# KiCad board CPU2908C.kicad_pcb (continued)
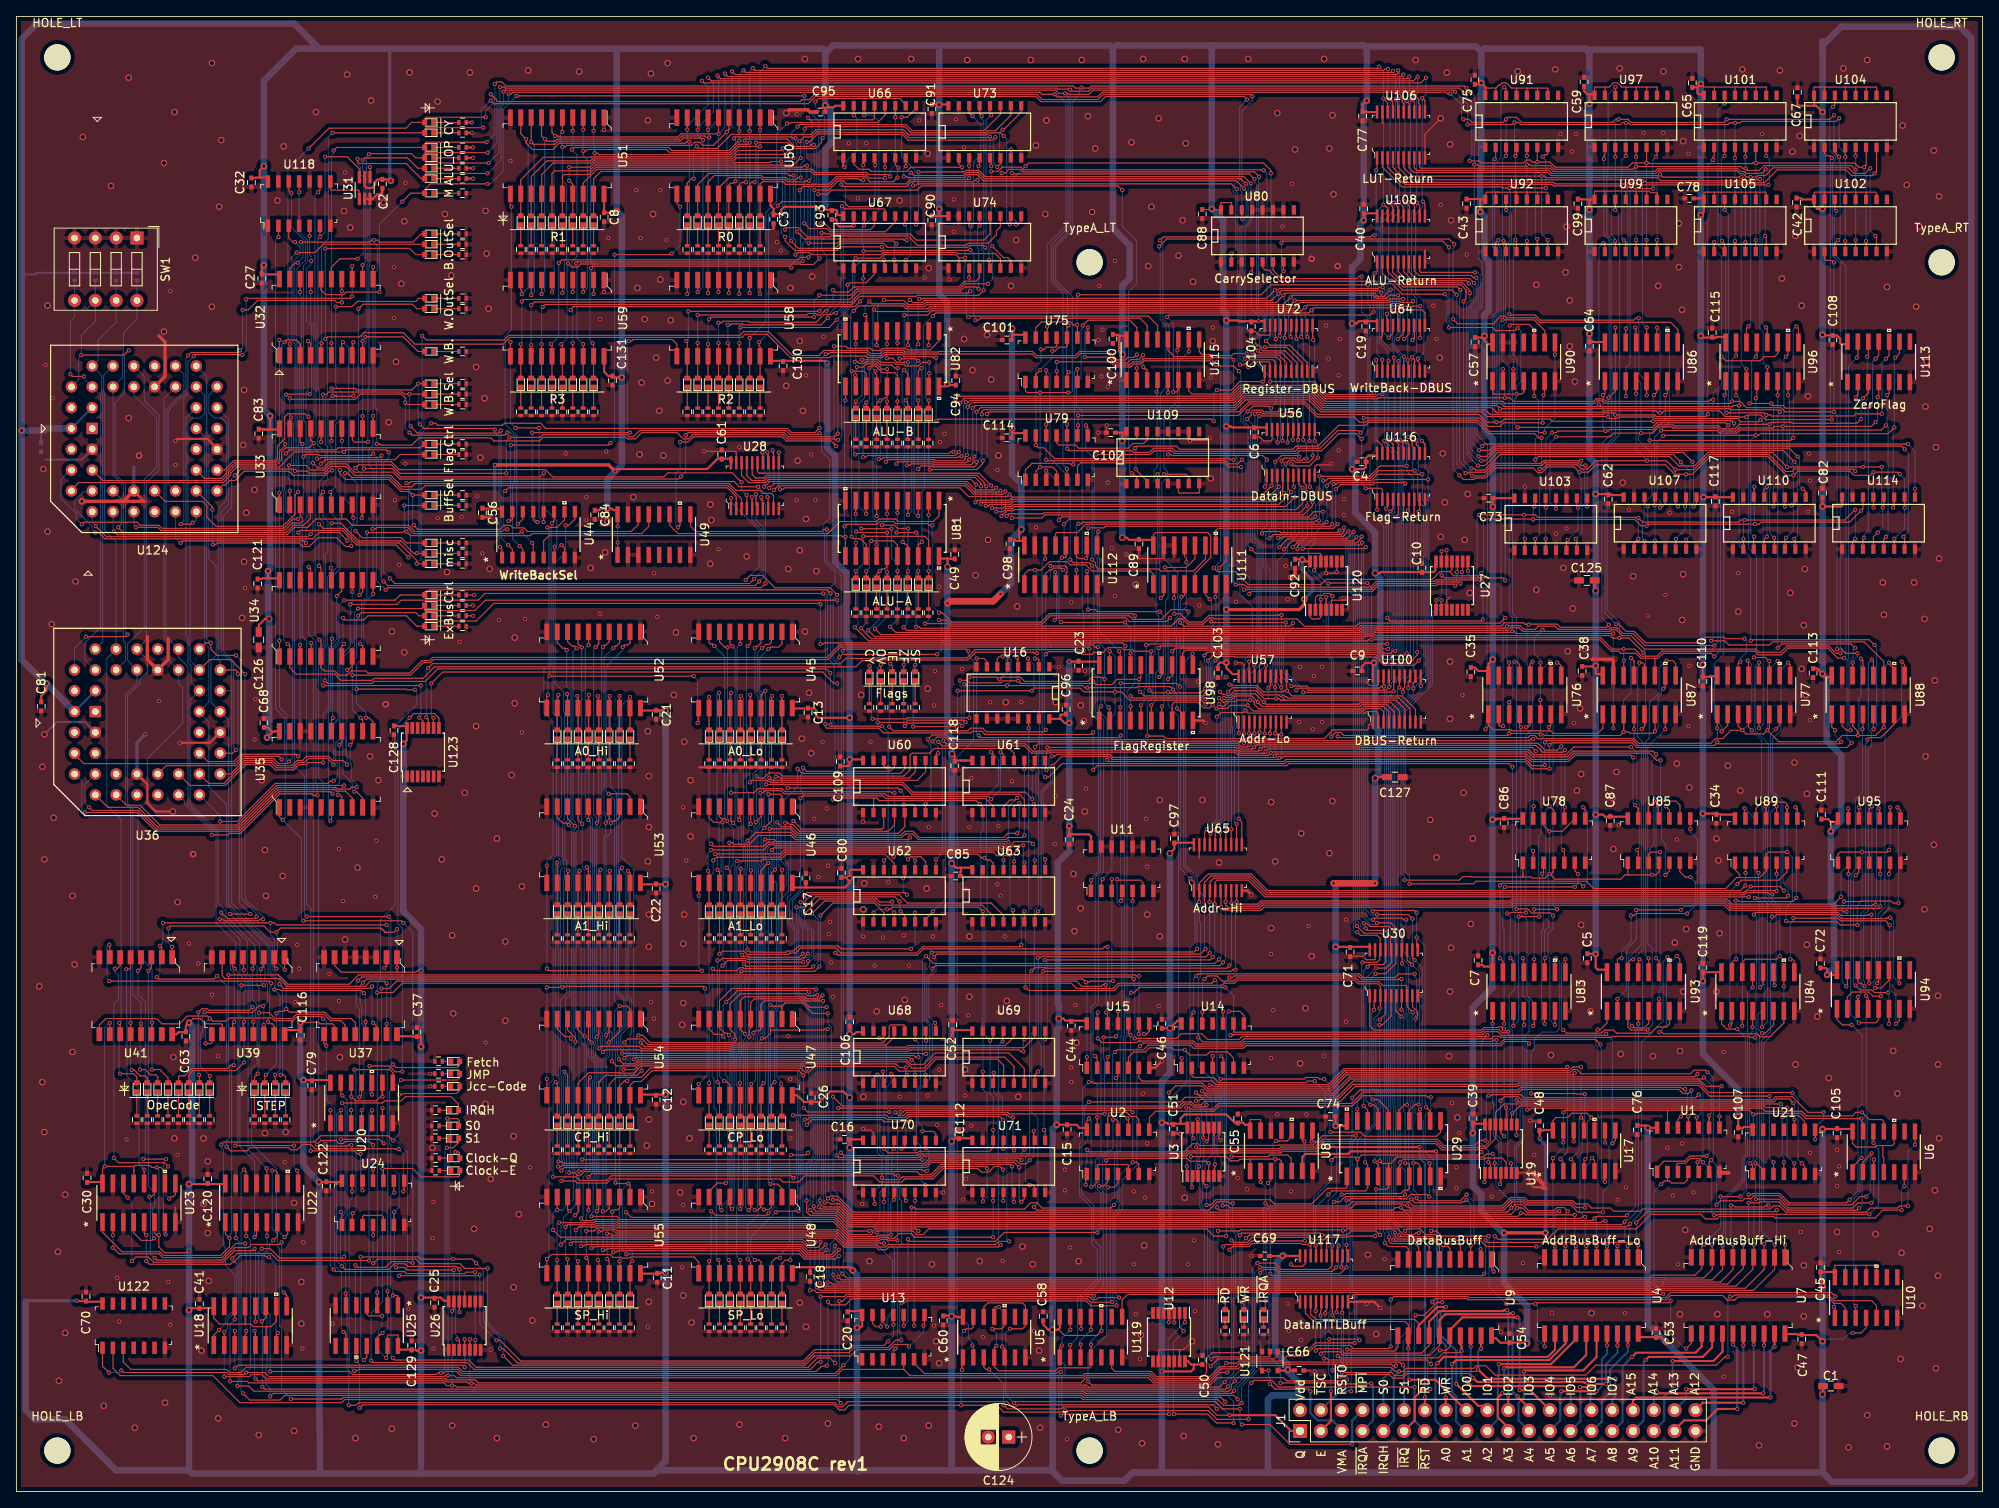
[diagram p0: board, top side]
## Routing (per net, layer and track width the routed paths; a pad name or vN(x,y) marks a point on that pad's centre or on a via; arc(x,y) is an arc through that point) (continued)
/Sequencer/BROM/A8: length 92.5
  Top w0.127: 18.51,50.09 18.51,50.49 17.51,51.49 v1(16.56,51.49) ; v1(16.56,57.22) 16.56,56.39 16.48,56.32
  Bottom w0.127: 16.56,54.47 16.56,51.5 v1(16.56,51.49) ; 16.56,54.47 16.56,58.15 ; 16.56,54.47 16.56,54.54 ; v1(16.56,57.22) 16.56,58.15 ; 16.56,58.15 16.56,63.75 14.84,65.46 14.84,83.11 15.99,84.26 15.99,89.46 20.31,93.78 20.31,98.1 19.8,98.61 U36.32 18.53,101.53 18.53,103.56 18.02,104.07 18.02,133.4 U124.32
/Sequencer/BROM/A9: length 94.7
  Top w0.127: v1(15.1,51.49) 15.73,51.49 16.37,50.85 17,50.85 17.26,50.6 17.26,49.97 ; 15.21,56.06 v1(15.21,57.09)
  Bottom w0.127: 15.15,51.54 v1(15.1,51.49) 15.1,56.98 v1(15.21,57.09) 15.21,59.63 14.21,60.63 14.21,83.37 13.57,84 13.57,97.08 15.1,98.61 15.1,99.11 15.99,100 15.99,101.53 U36.35 15.86,103.94 15.86,123.12 17.38,124.64 17.38,131.37 15.61,133.15 15.61,136.07 U124.35
/Sequencer/BROM/A10: length 91.3
  Top w0.127: v1(14.07,51.42) 14.42,51.42 15.12,50.73 15.73,50.73 15.97,50.49 15.97,49.97 ; U41.12 v1(13.94,57.21)
  Bottom w0.127: 14.72,100.13 14.72,98.61 13.32,97.21 13.32,83.9 13.94,83.28 v1(13.94,57.21) 13.94,51.55 v1(14.07,51.42) ; U36.36 13.57,101.4 13.57,103.43 15.61,105.47 15.61,123.5 17.13,125.02 17.13,130.99 14.34,133.79 14.34,134.68
/Sequencer/BROM/A11: length 93.1
  Top w0.127: v1(12.54,57.21) 12.67,57.08 U41.11 ; 14.7,49.97 14.7,50.6 14.32,50.98 v1(12.67,50.98)
  Bottom w0.127: v1(12.67,50.98) 12.54,51.11 v1(12.54,57.21) 12.79,57.45 12.79,81.99 11.04,83.75 11.04,101.66 U36.37 12.18,115.88 10.78,117.28 10.78,134.04 10.65,134.17 10.65,136.2 U124.37
/Sequencer/BROM/A12: length 49.8
  Bottom w0.127: R150.2 14.72,145.72 ; 14.46,144.96 14.72,145.22 ; SW1.8 14.72,143.06 13.07,141.41 13.07,138.97 12.94,138.84 12.94,135.94 U124.38 11.8,124.01 13.07,122.74 13.07,103.81 13.32,103.56 13.32,101.4 U36.38
/Sequencer/BROM/A13: length 47.6
  Bottom w0.127: U36.39 10.53,103.69 10.53,133.89 10.4,134.02 10.4,136.2 U124.39 9.98,138.07 9.98,140.48 12.18,142.68 SW1.7 11.38,144.54 ; 12.18,145.98 R149.2
/Sequencer/BROM/A14: length 66.8
  Top w0.127: v1(13.57,104.58) 13.31,104.32 v1(8.5,104.32) ; v1(7.92,138.68) 13.13,138.68 v1(13.7,139.25)
  Bottom w0.127: R148.2 9.64,145.98 ; v1(13.7,139.25) 13.19,138.74 13.19,134.04 12.05,132.9 12.05,124.13 13.33,122.86 13.33,104.83 v1(13.57,104.58) ; SW1.6 9.64,142.8 7.92,141.09 v1(7.92,138.68) 7.61,138.36 7.61,135.69 U124.40 ; SW1.6 9.64,145.22 ; SW1.6 8.69,144.39 ; 7.1,100.39 7.1,102.91 v1(8.5,104.32)
/Sequencer/BROM/A15: length 51.8
  Top w0.127: v1(8.24,136.07) 6.84,136.07 v1(6.59,136.33)
  Bottom w0.127: v1(6.59,136.33) 6.59,142.8 7.1,143.31 7.1,145.22 ; v1(8.24,136.07) 8.24,135.82 U124.41 10.27,133.79 10.27,105.47 8.37,103.56 8.37,101.53 U36.41 ; R129.2 7.1,145.98 ; 7.1,144.21 SW1.5
/Sequencer/BROM/load: length 77.8
  Top w0.127: U25.9 40.23,19.19 v1(39.93,19.49) ; v1(23.1,54.66) 23.73,54.66 23.86,54.79 23.86,55.55 ; v1(37.45,57.71) 37.2,57.96 34.27,57.96 33.77,57.46 31.49,57.46 31.16,57.79 25.97,57.79 25.59,57.41 23.94,57.41 v1(23.61,57.74) 23.32,58.03 20.87,58.03 19.92,57.08 17.77,57.08 17.13,57.72 11.15,57.72 11.14,57.71 10.91,57.71 10.13,56.94 U41.9 ; U37.9 37.56,54.68 v1(37.83,54.41)
  Bottom w0.127: v1(23.1,54.66) 23.1,57.23 v1(23.61,57.74) ; v1(39.93,19.49) 39.68,19.74 39.68,26.78 38.85,27.61 38.85,46.79 37.83,47.81 v1(37.83,54.41) 37.83,57.33 v1(37.45,57.71)
/Sequencer/BROM/update: length 108.5
  Top w0.127: v1(17.51,66.6) 17.75,66.37 U41.2 ; v1(31.74,63.81) 31.47,64.08 31.47,65.46 ; v1(17.89,69.4) 30.45,69.4 30.45,69.4 31.48,69.4 31.74,69.14 v1(45.2,69.14) ; v1(17.13,62.78) 17.37,62.54 24.12,62.54 v1(24.5,62.92) ; v1(46.66,41.78) 46.31,41.78 46.25,41.84 36.46,41.84 35.95,42.35 34.91,42.35 34.28,41.71 33.51,41.71 33.26,41.96 28.53,41.96 28.15,41.58 26.15,41.58 v1(25.64,42.09) ; v1(44.9,63.89) 45.18,64.17 U37.2 ; U24.8 47.34,36.74 v1(47.23,36.63)
  Bottom w0.127: v1(17.13,62.78) 17.51,63.16 v1(17.51,66.6) 17.89,66.98 v1(17.89,69.4) ; v1(47.23,36.63) 47.23,41.22 v1(46.66,41.78) ; v1(45.2,69.14) 45.46,68.89 45.46,64.45 v1(44.9,63.89) ; v1(24.5,62.92) 25.64,61.78 25.64,51.94 26.02,51.55 26.02,43.24 25.64,42.85 v1(25.64,42.09) ; v1(31.74,63.81) 31.49,64.06 31.49,67.49 31.02,67.96 v1(31.02,69.4)
/Sequencer/CY: length 155.4
  Top w0.127: v1(133.34,95.69) 133.45,95.58 U98.2 ; v1(164.2,148.26) 163.84,148.26 163.59,148.01 154.42,148.01 153.4,149.03 153.4,149.79 ; v1(131.81,126.55) 138.41,126.55 138.86,127 141.02,127 141.34,126.67 156.32,126.67 156.64,127 159.31,127 161.4,129.09 163.56,129.09 v1(164.2,128.45) ; D28.2 104.11,100.75 v1(104.13,100.77) ; v1(132.83,99.11) 132.57,99.37 131.29,99.37 130.78,98.86 123.05,98.86 122.54,99.37 122.41,99.37 120.25,99.37 v1(120,99.11) 119.75,99.37 v1(116.32,99.37) ; U16.6 119.73,101.64 120,101.91 v1(120.38,101.91) ; v1(104.51,94.29) 108.61,94.29 108.74,94.42 v1(116.32,94.42) ; v1(164.71,122.42) 166.54,122.42 166.74,122.23 166.74,121.59
  Bottom w0.127: v1(164.2,148.26) 164.2,143.95 164.96,143.18 164.96,129.21 v1(164.2,128.45) 164.2,122.93 v1(164.71,122.42) ; v1(120.38,101.91) 120.89,101.4 120.89,100 v1(120,99.11) ; v1(116.32,94.42) v1(116.32,99.37) ; v1(104.51,94.29) 104.38,94.42 104.38,100.51 v1(104.13,100.77) ; v1(131.81,126.55) 131.56,126.3 131.56,114.22 131.94,113.85 131.94,103.77 132.83,102.88 v1(132.83,99.11) 132.83,96.19 v1(133.34,95.69)
/Sequencer/D0: length 29.8
  Top w0.127: 34.66,138.99 34.66,140.01 34.15,140.52 32.98,140.52 v1(32.72,140.25) ; v1(32.82,127.81) 32.82,127.63 32.12,126.93 32.12,126.02 31.63,125.53 26.68,125.53 26.3,125.15 26.27,125.15 25.64,124.51 25.64,124.24 25.03,123.63 22.97,123.63 U124.21
  Bottom w0.127: v1(32.72,140.25) 32.43,139.96 32.43,128.2 v1(32.82,127.81)
/Sequencer/D1: length 28.1
  Top w0.127: U124.20 25.39,124.64 26.53,125.79 31.53,125.79 31.86,126.12 31.86,127.56 32.75,128.45 32.75,131.14 33.12,131.5 35.29,131.5 v1(35.67,131.12) ; U32.4 35.91,140.08 v1(35.61,140.39)
  Bottom w0.127: 35.41,134.18 35.47,134.24 ; 35.41,134.18 35.61,134.37 v1(35.61,140.39) ; 35.41,134.18 35.36,134.12 35.36,131.94 35.67,131.63 v1(35.67,131.12)
/Sequencer/D2: length 53
  Top w0.127: U124.19 23.92,120.14 v1(23.92,119.82) ; v1(39.86,140.26) 39.72,140.12 U32.7 ; v1(23.99,115.57) 24.34,115.57 24.53,115.75 34.53,115.75 34.97,115.31 35.74,115.31 36.82,116.39 39.11,116.39 40.19,115.31 40.82,115.31 v1(40.88,115.37)
  Bottom w0.127: v1(23.92,119.82) 23.92,115.63 v1(23.99,115.57) ; v1(40.88,115.37) 40.88,117.55 41.57,118.25 41.57,123.03 40.56,124.05 40.56,139.57 v1(39.86,140.26)
/Sequencer/D3: length 36.1
  Top w0.127: v1(38.51,124.6) 38.47,124.64 38.47,124.77 37.7,124.01 33.77,124.01 33.28,124.5 27.8,124.5 26.67,123.37 26.02,123.37 25.45,122.8 25.2,122.8 U124.18 ; v1(41.13,133.72) 41.07,133.66 39.02,133.66 38.95,133.73 v1(38.59,133.73) ; U32.8 40.99,140.12 v1(41.13,140.26)
  Bottom w0.127: v1(38.59,133.73) 38.03,133.16 38.03,127.99 38.51,127.5 v1(38.51,124.6) ; v1(41.13,133.72) v1(41.13,140.26)
/Sequencer/D4: length 55.2
  Top w0.127: v1(40.99,149.53) 40.99,148.39 ; v1(20.05,118.04) 21.32,118.04 v1(21.51,118.23) ; v1(40.99,145.85) 40.74,145.6 28.18,145.6 v1(28.05,145.47) ; v1(21.63,138.55) 21.82,138.74 27.14,138.74 27.17,138.74 27.22,138.69 v1(27.57,138.69)
  Bottom w0.127: v1(21.51,118.23) 21.61,118.23 21.96,118.57 U124.17 ; v1(40.99,145.85) v1(40.99,149.53) ; v1(21.63,138.55) 20.94,137.86 20.94,133.95 20.43,133.44 20.43,118.42 v1(20.05,118.04) ; v1(28.05,145.47) 28.05,139.17 v1(27.57,138.69)
/Sequencer/D5: length 45.3
  Top w0.127: v1(27.29,139.25) 27.04,138.99 21.32,138.99 v1(20.94,138.61) ; v1(39.74,145.09) 39.1,145.09 38.85,145.34 29.45,145.34 28.31,144.2 v1(27.61,144.2) ; U32.14 v1(39.72,146.49)
  Bottom w0.127: v1(39.74,145.09) 39.72,145.1 v1(39.72,146.49) ; 27.61,140.08 27.61,139.57 v1(27.29,139.25) ; 27.61,140.08 v1(27.61,144.2) ; 27.61,140.08 27.61,139.92 ; U124.16 18.53,122.99 18.53,131.89 20.69,134.05 20.69,138.36 v1(20.94,138.61)
/Sequencer/D6: length 52.4
  Top w0.127: v1(35.34,115.75) 35.08,116.01 20.31,116.01 v1(20.05,115.75) ; U32.17 35.91,146.38 v1(35.93,146.36)
  Bottom w0.127: v1(20.05,115.75) 19.42,116.39 U124.15 ; v1(35.93,146.36) 35.93,142.65 36.3,142.28 36.3,129.08 35.61,128.38 35.61,126.74 35.73,126.61 35.73,117.84 35.34,117.45 v1(35.34,115.75)
/Sequencer/D7: length 49.5
  Top w0.127: U124.14 18.15,120.83 22.72,120.83 23.25,120.3 23.25,118.91 24.37,117.78 32.5,117.78 32.88,118.17 32.9,118.17 34.02,119.29 34.02,121.61 v1(34.39,121.97) ; 34.64,147.25 34.64,147.25 ; 34.64,146.36 34.64,146.36 34.64,146.36 ; 34.64,146.36 v1(34.6,146.36) ; 34.64,146.36 34.64,146.36 ; 34.64,146.36 34.64,147.94
  Bottom w0.127: v1(34.39,121.97) 34.39,124.13 34.46,124.2 34.46,129.96 34.78,130.28 34.78,145.82 34.6,146.01 v1(34.6,146.36)
/Sequencer/D8: length 25.1
  Top w0.127: v1(14.59,117.66) 17.26,117.66 17.64,117.28 32.75,117.28 33.64,118.17 34.66,118.17 34.91,118.42 34.91,118.8 34.64,119.07 34.64,120.41
  Bottom w0.127: v1(14.59,117.66) 14.34,117.91 U124.11
/Sequencer/D9: length 32.7
  Top w0.127: U33.4 35.91,118.78 35.04,117.91 33.83,117.91 32.94,117.02 13.07,117.02 v1(12.43,117.66)
  Bottom w0.127: 12.81,118.04 12.81,119.05 ; 12.81,118.04 v1(12.43,117.66) 12.81,118.04 ; 12.81,118.04 12.81,119.05 ; 12.81,119.05 12.81,121.09 U124.10
/Sequencer/D10: length 89.1
  Top w0.127: v1(11.92,117.15) 12.3,116.77 33.05,116.77 33.94,117.66 35.55,117.66 36.56,118.67 40.24,118.67 41.01,117.91 47.85,117.91 48.61,117.15 59.32,117.15 59.58,117.4 v1(59.93,117.4) ; U28.2 87.86,121.4 86.79,122.48 60.06,122.48 v1(59.68,122.1) ; U33.7 39.72,118.69
  Bottom w0.127: v1(11.92,117.15) 11.8,117.28 U124.9 ; v1(59.68,122.1) 59.43,121.85 59.43,117.91 v1(59.93,117.4)
/Sequencer/D11: length 101.2
  Top w0.127: v1(40.4,116.03) 39.41,117.02 36.94,117.02 36.18,116.26 10.8,116.26 10.04,117.02 v1(9.64,117.02) ; v1(40.12,124.26) 40.47,124.26 40.98,123.75 45.58,123.75 47.04,122.3 49.46,122.3 49.9,122.74 86.89,122.74 88.52,121.11 U28.3 ; v1(41.13,118.8) 40.99,118.94 U33.8
  Bottom w0.127: v1(9.64,117.02) 9.26,117.4 9.26,117.76 7.1,119.92 7.1,120.92 8.15,121.97 9.26,121.97 ; v1(40.12,124.26) 40.12,121.09 41.13,120.07 v1(41.13,118.8) 41.13,118.17 40.4,117.43 v1(40.4,116.03)
/Sequencer/D12: length 130.7
  Top w0.127: v1(35.93,116.84) 35.61,116.51 10.98,116.51 v1(9.7,117.8) ; U28.4 89.17,121.57 v1(89.14,121.59) ; v1(36.18,125.53) 36.82,124.9 37.45,124.9 38.21,125.66 45.77,125.66 46.72,124.7 64.57,124.7 65.47,123.81 79.03,123.81 79.53,124.31 87.38,124.31 v1(88.5,123.18) ; v1(36.82,158.55) 37.05,158.79 U118.9
  Bottom w0.127: v1(88.5,123.18) 88.5,122.23 v1(89.14,121.59) ; v1(9.7,117.8) 9.26,118.24 U124.7 ; 36.44,150.42 36.44,158.17 v1(36.82,158.55) ; 36.44,150.42 36.44,150.55 ; 36.44,150.42 36.44,142.51 36.55,142.39 36.55,128.93 35.86,128.24 35.86,126.84 36.18,126.52 v1(36.18,125.53) 36.18,117.09 v1(35.93,116.84)
/Sequencer/D13: length 117.1
  Top w0.127: 39.72,129.7 v1(39.72,128.2) ; v1(89.78,121.34) 89.81,121.3 U28.5 ; v1(45.58,111.43) 46.21,110.8 89.47,110.8 v1(90.03,111.35) ; v1(45.45,126.8) 45.14,127.11 40.24,127.11 v1(39.99,126.86) 33.95,126.86 32.12,125.02 26.91,125.02 26.15,124.26 26.15,124.01 25.26,123.12 7.61,123.12 6.72,122.23
  Bottom w0.127: v1(39.72,128.2) 39.72,127.13 v1(39.99,126.86) ; v1(89.78,121.34) 89.78,118.55 90.92,117.4 90.92,112.24 v1(90.03,111.35) ; v1(45.45,126.8) 45.45,126.17 44.82,125.53 44.82,112.2 v1(45.58,111.43)
/Sequencer/D14: length 116.7
  Top w0.127: v1(90.28,121.72) 90.28,120.44 90.47,120.26 ; v1(90.66,111.05) 90.16,110.54 45.33,110.54 v1(44.82,111.05) ; U124.5 10.53,123.37 25.13,123.37 25.89,124.13 25.89,124.39 26.78,125.28 31.74,125.28 32.37,125.91 32.37,126.82 32.92,127.37 35.73,127.37 v1(36.3,127.94) 35.91,128.33 35.91,129.7 ; v1(44.56,126.42) 44.31,126.17 37.17,126.17 37.04,126.04 v1(36.69,126.04)
  Bottom w0.127: v1(90.28,121.72) 90.28,118.54 91.17,117.65 91.17,111.56 v1(90.66,111.05) ; v1(36.69,126.04) 36.69,127.04 36.3,127.43 v1(36.3,127.94) ; v1(44.82,111.05) 44.56,111.31 v1(44.56,126.42)
/Sequencer/D15: length 132.6
  Top w0.127: U28.7 91.03,119.94 ; U28.7 91.11,119.29 ; U28.7 91.11,120.86 90.92,121.06 v1(90.92,121.34) ; v1(91.43,110.8) 90.91,110.29 45.32,110.29 v1(45.07,110.04) ; v1(43.55,126.67) 43.29,126.42 36.96,126.42 36.84,126.54 35.29,126.54 v1(35.04,126.29) ; v1(34.39,118.67) 33.77,118.67 32.62,117.53 17.77,117.53 17.38,117.91 15.1,117.91 14.72,118.29 8.24,118.29 v1(7.99,118.04) ; 34.64,129.7 34.64,128.09 v1(34.91,127.82)
  Bottom w0.127: v1(91.43,110.8) 91.43,120.48 90.92,120.99 v1(90.92,121.34) ; v1(34.39,118.67) 35.04,119.32 v1(35.04,126.29) 34.91,126.42 v1(34.91,127.82) ; v1(43.55,126.67) 43.93,126.29 43.93,111.18 v1(45.07,110.04) ; v1(7.99,118.04) 7.32,118.7 7.32,119.34 5.45,121.21 5.45,123.5 6.59,124.64
/Sequencer/D16: length 112.3
  Top w0.127: v1(34.4,89.72) 34.15,89.97 27.41,89.97 26.53,89.08 23.35,89.08 U36.21 ; v1(47.61,123.05) 47.96,123.05 48.16,123.25 87.62,123.25 88.25,122.61 v1(90.54,122.61) ; 34.64,102.16 v1(34.64,103.31) ; v1(47.85,113.99) 46.34,115.5 41.56,115.5 39.78,117.28 34.66,117.28 v1(34.4,117.02) ; U28.8 91.77,121.25 v1(91.68,121.34)
  Bottom w0.127: v1(91.68,121.34) 91.68,121.47 v1(90.54,122.61) ; v1(47.85,113.99) 48.1,114.24 48.1,117.3 47.86,117.53 47.86,122.8 v1(47.61,123.05) ; v1(34.4,89.72) 34.64,89.95 v1(34.64,103.31) 34.64,116.78 v1(34.4,117.02)
/Sequencer/D17: length 143.7
  Top w0.127: U36.20 26.4,90.1 v1(26.78,90.48) ; 33.24,159.69 33.24,158.75 v1(33.57,158.42) ; U28.9 92.42,121.57 92.18,121.81 91.09,121.81 90.72,122.17 87.82,122.17 87,122.99 48.63,122.99 48.25,122.61 47.08,122.61 45.68,124.01 41.28,124.01 40.21,125.08 38.37,125.08 37.56,124.27 35.8,124.27 35.55,124.52 v1(34.02,124.52) 33.77,124.77 27.42,124.77 v1(26.66,124.01)
  Bottom w0.127: v1(26.66,124.01) 26.28,123.63 26.28,120.07 25.26,119.05 25.26,102.54 26.53,101.27 26.53,90.73 v1(26.78,90.48) ; v1(33.57,158.42) 33.57,154.26 35.29,152.54 35.29,150.27 34.16,149.14 34.16,140.6 34.53,140.23 34.53,130.38 34.15,130 34.15,124.64 v1(34.02,124.52)
/Sequencer/D18: length 35.9
  Top w0.127: U36.19 23.48,86.42 25.36,86.42 27.9,88.95 31.13,88.95 31.76,88.32 33.75,88.32 34.38,88.95 35.16,88.95 35.67,89.46 37.96,89.46 v1(38.72,88.7) ; v1(39.99,103.43) 39.72,103.16 U34.7
  Bottom w0.127: v1(39.99,103.43) 39.23,102.67 39.23,94.16 38.72,93.65 v1(38.72,88.7)
/Sequencer/D19: length 33.1
  Top w0.127: U34.8 40.99,100.75 40.5,100.26 v1(40.37,100.26) ; v1(40.37,88.7) 39.86,89.21 38.59,89.21 38.09,89.72 35.42,89.72 34.91,89.21 34.28,89.21 33.64,88.57 31.86,88.57 31.23,89.2 27.79,89.2 26.15,87.56 24.75,87.56
  Bottom w0.127: 40.24,90.1 40.24,92.13 ; 40.24,90.1 40.24,89.97 40.37,89.84 v1(40.37,88.7) ; 40.24,90.1 40.24,92.13 ; 40.24,92.13 40.24,99.75 40.37,99.88 v1(40.37,100.26)
/Sequencer/D20: length 296.7
  Top w0.127: v1(98.75,93.68) 98.75,93.32 98.92,93.15 101.33,93.15 105.25,93.15 105.83,92.57 116.5,92.57 116.7,92.77 117.84,92.77 118.22,92.39 131.18,92.39 v1(131.43,92.64) ; v1(216.14,46.85) 213.54,46.85 213.35,47.04 183.49,47.04 v1(182.6,46.16) 182.5,46.06 U19.9 ; U21.5 v1(217.01,40.06) ; v1(38.72,86.73) 38.37,86.73 38.05,86.42 31.61,86.42 26.97,81.78 v1(24.88,81.78) ; v1(182.61,88.45) 182.23,88.83 155.31,88.83 155.05,88.57 131.94,88.57 v1(131.43,88.07) ; U34.13 v1(40.99,109.78) ; v1(98.49,109.59) 57.2,109.59 56.37,108.77 46.98,108.77 46.47,108.26 v1(40.75,108.26)
  Bottom w0.127: v1(40.99,109.78) 40.99,108.5 v1(40.75,108.26) 40.75,103.17 39.48,101.9 39.48,91.84 38.98,91.33 38.98,89.1 39.16,88.91 39.16,87.17 v1(38.72,86.73) ; v1(182.61,88.45) 182.61,70.96 182.91,70.67 182.91,61.31 182.22,60.62 182.22,56.66 182.6,56.28 v1(182.6,46.16) ; v1(98.49,109.59) 98.49,109.47 98.75,109.21 v1(98.75,93.68) ; v1(216.14,46.85) 216.14,40.93 v1(217.01,40.06) ; v1(131.43,88.07) v1(131.43,92.64) ; U36.17 24.88,82.48 v1(24.88,81.78)
/Sequencer/D21: length 43.1
  Top w0.127: v1(37.45,88.95) 35.61,88.95 35.36,88.7 34.49,88.7 33.85,88.07 31.61,88.07 30.98,88.7 28.01,88.7 25.47,86.16 21.2,86.16 U36.16 ; U34.14 39.72,109.89 v1(39.1,109.28)
  Bottom w0.127: v1(37.45,88.95) 37.45,94.9 38.09,95.54 38.09,102.98 39.1,104 v1(39.1,109.28)
/Sequencer/D22: length 51.6
  Top w0.127: v1(36.74,84.96) 36.24,84.96 36.05,85.14 32.17,85.14 27.34,80.32 26.02,80.32 25.83,80.13 24.27,80.13 ; v1(35.67,112.83) 35.91,112.59 U34.17 ; v1(23.86,80.13) 24.22,80.13
  Bottom w0.127: v1(23.86,80.13) 23.86,80.59 20.5,83.96 20.5,84.32 U36.15 ; v1(35.67,112.83) 35.67,104.63 36.56,103.74 36.56,86.54 36.74,86.36 v1(36.74,84.96)
/Sequencer/D23: length 87.7
  Top w0.127: v1(33.26,89.08) 33.01,88.83 31.99,88.83 31.36,89.46 27.67,89.46 26.78,88.57 18.27,88.57 U36.14 ; v1(35.8,153.22) 35.8,154.98 35.78,155 ; v1(35.8,133.91) 33.01,133.91 32.94,133.85
  Bottom w0.127: v1(35.8,153.22) 35.8,150.93 35.99,150.74 v1(35.99,150.16) 35.99,149.8 35.42,149.23 35.42,142.8 36.05,142.18 36.05,134.16 v1(35.8,133.91) ; v1(32.93,133.85) 32.68,133.6 32.68,130.55 33.26,129.98 33.26,126.94 33.32,126.89 33.32,126.46 32.75,125.9 32.75,122.29 32.88,122.17 32.88,119.67 33.69,118.85 33.69,89.51 v1(33.26,89.08)
/Sequencer/D23B: length 332
  Top w0.127: v1(100.95,15.42) 99.94,14.41 54.35,14.41 53.84,14.91 41.78,14.91 41.6,14.73 v1(41.24,14.73) ; v1(40.88,42.28) 40.53,42.28 40.41,42.16 37.95,42.16 v1(37.7,42.41) ; 41.88,160.96 41.88,161.36 40.37,162.87 v1(37.69,162.87) ; v1(100.65,41.36) 100.99,41.01 110.04,41.01 110.23,41.2 142.68,41.2 143.05,41.58 154.25,41.58 154.46,41.78 158.57,41.78 159.52,42.73 173.34,42.73 174.1,41.97 178.3,41.97 178.49,42.15 179.24,42.15 179.9,42.81 U19.13 ; v1(37.07,153.09) 37.05,153.11 U118.6 ; v1(40.99,36.63) 40.99,37.9
  Bottom w0.127: v1(100.65,41.36) 100.95,41.05 100.95,27.11 101.71,26.34 101.71,16.18 v1(100.95,15.42) ; v1(40.88,42.28) 40.88,41.81 40.99,41.69 v1(40.99,36.63) 40.99,35.87 40.63,35.5 40.63,15.35 v1(41.24,14.73) ; v1(37.7,42.41) 36.89,43.23 36.89,82.42 37.45,82.99 37.45,86.56 36.89,87.12 36.89,102.86 37.45,103.43 37.45,118.31 36.99,118.77 36.99,123.31 37.7,124.02 37.7,126.77 36.74,127.73 36.74,128.5 37,128.77 37,134.33 36.81,134.53 36.81,152.83 v1(37.07,153.09) 37.69,153.71 v1(37.69,162.87)
/Sequencer/D26: length 34.7
  Top w0.127: U36.9 13.45,83.75 15.1,83.75 17.51,81.33 26.92,81.33 31.75,86.16 v1(39.99,86.16) ; v1(39.23,85.02) 39.48,85.02 39.72,84.78 U35.7
  Bottom w0.127: v1(39.99,86.16) 39.23,85.4 v1(39.23,85.02)
/Sequencer/D27: length 40.8
  Top w0.127: 41.01,84.26 41.01,84.64 40.18,85.46 39.04,85.46 38.85,85.65 31.96,85.65 27.13,80.83 17.13,80.83 14.84,83.11 9.26,83.11 v1(8.88,83.49)
  Bottom w0.127: U36.8 8.37,86.29 8.37,84 v1(8.88,83.49)
/Sequencer/D28: length 43
  Top w0.127: U35.13 40.99,91.35 v1(40.75,91.11) ; v1(41.54,85.96) 40.93,85.96 40.69,85.72 39.17,85.72 38.98,85.91 31.85,85.91 27.03,81.08 17.26,81.08 14.84,83.49 11.16,83.49 U36.7
  Bottom w0.127: v1(41.54,85.96) 41.54,86.31 40.88,86.97 40.88,88.84 40.75,88.97 v1(40.75,91.11)
/Sequencer/D29: length 46
  Top w0.127: v1(38.59,85.14) 38.34,85.4 32.06,85.4 27.24,80.57 17.03,80.57 14.87,82.73 14.84,82.73 14.72,82.86 v1(8.37,82.86) ; v1(39.42,91.13) 39.74,91.44 39.74,92.13
  Bottom w0.127: v1(39.42,91.13) 39.42,86.48 38.59,85.65 v1(38.59,85.14) ; U36.6 7.99,86.67 7.99,83.24 v1(8.37,82.86)
/Sequencer/D31: length 91.9
  Top w0.127: v1(32.37,89.34) 31.99,89.71 27.54,89.71 26.66,88.83 8.24,88.83 7.1,89.97 ; v1(31.99,153.09) 31.99,154.23
  Bottom w0.127: v1(31.99,153.09) 31.64,152.74 31.64,95.53 32.75,94.42 32.75,89.72 v1(32.37,89.34)
/Sequencer/D31B: length 159.7
  Top w0.127: 54.07,52.38 54.07,52 53.82,51.74 52.04,51.74 ; 44.04,18.47 44.04,18.84 44.31,19.11 44.44,19.11 v1(44.69,19.36) ; v1(45.96,52.12) 46.34,51.74 52.04,51.74 ; v1(45.31,24.44) 45.31,23.17 ; v1(34.01,152.45) 33.75,152.45 33.24,152.96 U118.3 ; 52.04,51.74 52.29,51.74 ; v1(45.45,70.16) v1(35.42,70.16)
  Bottom w0.127: v1(44.69,19.36) 45.31,19.98 v1(45.31,24.44) 45.31,24.79 45.33,24.81 45.33,42.35 45.27,42.41 45.27,51.43 v1(45.96,52.12) 45.71,52.37 45.71,69.9 v1(45.45,70.16) ; v1(34.01,152.45) 34.64,151.82 34.64,150.97 33.9,150.24 33.9,140.5 34.28,140.12 34.28,130.49 33.83,130.04 33.83,124.97 33.58,124.73 33.58,124.3 33.95,123.94 33.95,88.52 35.16,87.3 35.16,70.41 v1(35.42,70.16)
/Sequencer/DO0: length 164
  Top w0.127: v1(163.67,68.25) 164.05,67.88 166.08,67.88 166.47,67.49 166.47,66.73 ; U56.2 153.27,122.81 v1(153.2,122.74) 151.8,121.34 121.53,121.34 121.15,120.96 120.35,120.96 117.32,120.96 v1(117.06,120.7) ; 88.49,126.04 88.5,126.06 ; U28.18 88.52,124 89.39,123.12 91.43,123.12 91.81,123.5 116.53,123.5 v1(117.16,122.88) ; 166.41,65.53 166.41,64.89 166.09,64.57 v1(164.31,64.57) ; v1(161.51,117.28) 161.26,117.02 154.34,117.02 154.21,117.14 152.3,117.14 v1(152.05,116.89) ; U29.19 v1(163.67,46.66)
  Bottom w0.127: v1(164.31,64.57) 164.2,64.46 164.2,48.06 163.67,47.54 v1(163.67,46.66) ; v1(163.67,68.25) 163.32,68.25 163.18,68.39 163.18,109.4 162.29,110.29 162.29,116.14 161.51,116.92 v1(161.51,117.28) ; v1(117.06,120.7) 117.06,122.78 v1(117.16,122.88) ; v1(153.2,122.74) 152.62,122.16 152.62,117.92 152.05,117.34 v1(152.05,116.89)
/Sequencer/DO1: length 165.5
  Top w0.127: v1(164.94,64.06) 165.19,64.31 166.84,64.31 167.1,64.57 167.1,65.46 ; 167.1,66.73 167.1,67.62 166.59,68.13 164.5,68.13 v1(163.62,69.01) ; U28.17 89.17,123.98 89.77,123.37 91.33,123.37 91.71,123.75 117.02,123.75 117.75,123.02 v1(117.75,122.67) ; 164.94,45.22 164.94,46.55 v1(164.45,47.04) ; v1(162.04,117.62) 162.04,117.15 161.66,116.77 154.23,116.77 154.22,116.78 153.41,116.78 v1(152.94,116.31) ; v1(117.73,120.52) 117.91,120.7 120.45,120.7 120.45,120.71 121.26,120.71 121.64,121.09 152.56,121.09 v1(154.08,122.61) 153.92,122.77 U56.3
  Bottom w0.127: v1(164.94,64.06) 164.45,63.57 v1(164.45,47.04) ; v1(152.94,116.31) 152.94,116.83 153.45,117.35 153.45,121.63 154.08,122.26 v1(154.08,122.61) ; v1(162.04,117.62) 162.04,116.76 162.55,116.25 162.55,110.4 163.44,109.51 163.44,69.2 v1(163.62,69.01) ; v1(117.75,122.67) 117.73,122.65 v1(117.73,120.52)
/Sequencer/DO2: length 164.9
  Top w0.127: v1(118.38,122.67) 118.13,122.92 118.13,123.15 117.26,124.01 91.6,124.01 91.28,123.69 90.22,123.69 89.81,124.09 U28.16 ; U56.4 154.57,122 v1(154.72,121.85) 153.71,120.83 121.74,120.83 121.36,120.45 120.56,120.45 120.56,120.45 118.87,120.45 118.69,120.26 v1(118.33,120.26) ; U29.17 166.21,46.66 165.67,47.21 v1(165.26,47.21) ; v1(154.01,116.34) 154.36,116.34 154.53,116.51 161.93,116.51 v1(162.59,117.18) ; v1(165.96,63.87) 167.17,63.87 167.86,64.57 167.86,65.71 ; 167.74,66.6 167.74,67.75 167,68.48 164.95,68.48 v1(164.7,68.73)
  Bottom w0.127: v1(118.38,122.67) 118.33,122.63 v1(118.33,120.26) ; v1(165.96,63.87) 164.76,62.67 164.76,47.72 v1(165.26,47.21) ; v1(164.7,68.73) 164.35,68.73 164.06,69.02 164.06,69.22 163.69,69.59 163.69,109.61 162.8,110.5 162.8,116.62 162.59,116.83 v1(162.59,117.18) ; v1(154.01,116.34) 154.72,117.06 v1(154.72,121.85)
/Sequencer/DO3: length 168
  Top w0.127: v1(154.16,115.24) 155.18,116.26 162.36,116.26 v1(163.22,117.11) ; 90.88,124.26 91.05,124.26 ; 91.05,124.26 90.66,124.26 90.66,124.26 90.47,124.46 U28.15 ; 91.05,124.26 117.49,124.26 v1(119,122.76) ; U56.5 155.22,122.36 v1(155.6,121.97) 154.08,120.45 121.72,120.45 121.47,120.2 120.66,120.2 120.48,120.01 v1(119.1,120.01) ; U29.16 167.48,46.55 166.2,47.84 v1(165.53,47.84) ; 168.37,65.59 168.37,64.44 167.11,63.19 v1(165.9,63.19) ; v1(164.49,69.32) 164.85,69.32 165.21,68.96 167.54,68.96 168.37,68.13 168.37,66.6
  Bottom w0.127: v1(119.1,120.01) 119.1,122.66 v1(119,122.76) ; v1(165.53,47.84) 165.18,48.2 165.18,62.47 v1(165.9,63.19) ; v1(155.6,121.97) 155.6,116.68 v1(154.16,115.24) ; v1(163.22,117.11) 163.22,116.76 163.05,116.6 163.05,110.61 163.94,109.72 163.94,69.87 v1(164.49,69.32)
/Sequencer/DO4: length 170.2
  Top w0.127: U56.6 155.87,122.67 v1(155.93,122.61) ; v1(166.09,69.4) 167.75,69.4 169.13,68.02 169.13,66.48 ; v1(163.58,116.45) 163.13,116.01 155.76,116.01 v1(154.73,114.97) ; v1(91.03,126.8) 91.11,126.72 U28.14 ; U29.15 168.75,46.54 169.41,47.19 v1(169.74,47.19) ; v1(169.13,64.44) 169.13,66.35 ; v1(119.6,119.56) 120.39,119.56 120.77,119.94 121.57,119.94 121.83,120.2 154.91,120.2 v1(156.05,121.34) ; v1(91.28,122.61) 91.92,123.25 116.05,123.25 117.06,122.23 119.34,122.23 v1(119.6,122.49)
  Bottom w0.127: v1(169.74,47.19) 169.74,47.54 169.76,47.56 169.76,58.28 169.64,58.4 169.64,63.94 v1(169.13,64.44) ; v1(91.03,126.8) 91.28,126.55 v1(91.28,122.61) ; v1(155.93,122.61) 156.05,122.48 v1(156.05,121.34) 156.05,116.77 154.73,115.45 v1(154.73,114.97) ; v1(119.6,119.56) 119.6,122.48 v1(119.6,122.49) ; v1(163.58,116.45) 163.33,116.2 163.33,110.69 164.2,109.82 164.2,70.26 165.31,69.15 165.84,69.15 v1(166.09,69.4)
/Sequencer/DO5: length 174.4
  Top w0.127: U56.7 156.52,122.96 v1(157,122.48) ; v1(120.11,122.12) 119.96,121.97 116.94,121.97 115.92,122.99 92.42,122.99 v1(91.89,122.46) ; v1(157,121.09) 157,120.62 156.2,119.82 121.81,119.82 121.68,119.69 120.87,119.69 v1(120.24,119.05) ; U29.14 170.02,46.54 170.73,47.24 v1(171.15,47.24) ; v1(164.2,116.53) 164.2,116.39 163.56,115.75 156.3,115.75 v1(155.8,115.24) ; U28.13 91.77,126.7 v1(91.66,126.8) ; 169.77,65.59 169.77,64.82 170.03,64.57 170.09,64.57 v1(170.34,64.32) ; v1(169.64,69.78) 169.29,69.78 169.09,69.97 165.78,69.97 v1(165.59,69.79)